# Altium PCB PCB1.PcbDoc (part 2 of 2)
Units mm, origin at the board's own origin, x right, y up, seen from the top; angles counter-clockwise.
Board outline 102 x 100 mm, 4 copper layers (Top Layer, GROUND, POWER, Bottom Layer), stack 1.369 mm thick; 127 components, 87 nets, 437 pads, 103 vias.
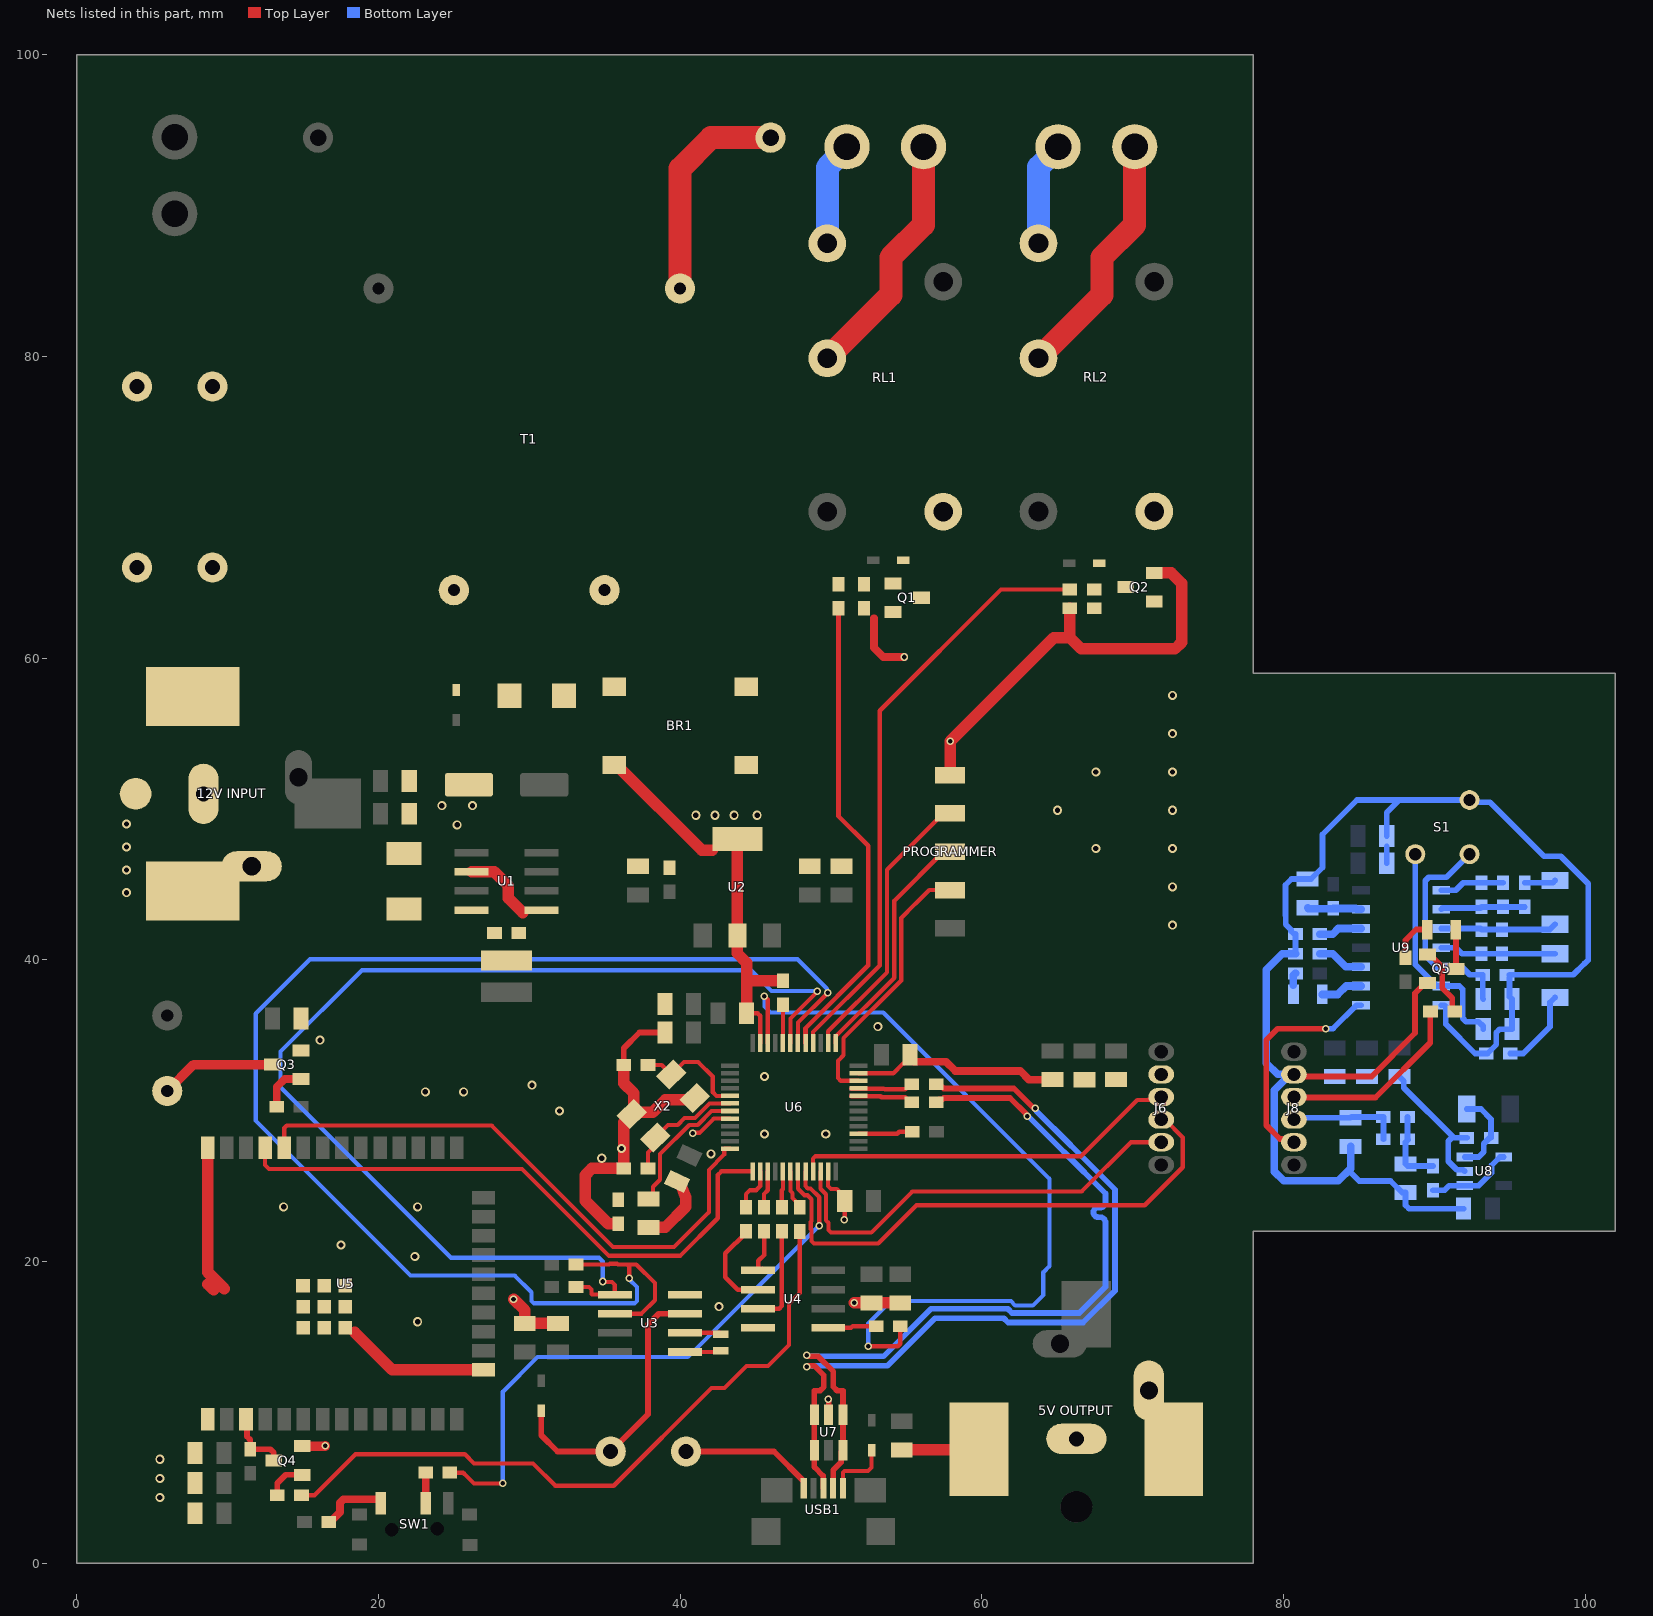
[diagram p4: the nets of this part, all layers, seen from the top]

## Via types
v1: diameter 0.6, hole 0.35, Top Layer to Bottom Layer, tented both sides, 72 vias
v2: diameter 0.5, hole 0.3, Top Layer to Bottom Layer, tented both sides, 31 vias

## Nets (pads, with @x,y where several pads share a name; then routed paths per layer and width w, separated by ;. In a path a pad name is that pad's centre, name@x,y a point inside that pad or via, vN(x,y) a via of type N, cw(c..) or ccw(c..) an arc to the next point about the centre after c; other vN are vias at no path point) (continued)
GND: "5V OUTPUT.2" "5V OUTPUT.3" "12V INPUT.2" "12V INPUT.3" "12V INPUT." BR1.4 C1.2 C2.1 C3.1 C4.1 C5.2 C6.2 C7.1 C8.2 C9.2 C10.2 C11.1 C12.1 C13.1 C14.1 C15.1 C16.1 C17.1 C18.2 C19.1 C20.1 C21.1 C22.1 C23.1 C24.1 C25.1 C26.1 C27.1 C28.1 C29.1 C30.1 C31.1 C32.1 D1.2 J6.2 PROGRAMMER.5 Q1.2 Q2.2 Q3.2 Q4.2 R4.1 R5.1 R20.1 R21.1 U1.1 U1.6 U2.2 U3.4 U4.4 U5.1 U5.15 U5.38 U5.39 U6.8 U6.23 U6.35 U6.47 U7.2 USB1.5 X2.2 X2.4 | length 157.1
  Top Layer w0.279: v2(40.842,28.483) 40.885,28.525 41.292,28.525 42.239,29.472 U6.8@43.316,29.472 ; C27.1@44.409,36.449 45.152,36.449 45.316,36.285 U6.47@45.316,34.472 ; U6.23@49.816,25.972 49.816,24.991 50.01,24.797 50.393,24.797 50.557,24.633 50.557,24.363 C30.1@50.917,24.003 50.917,22.779 v2(50.886,22.748) ; U6.35@51.816,32.472 54.138,32.472 54.787,33.121 54.895,33.121 C28.1@55.255,33.481
  Top Layer w0.381: C24.1@36.271,33.022 36.271,34.138 37.313,35.179 C32.1@38.991,35.179 ; C18.2@40.4,7.4 46.225,7.4 48.2,5.425 USB1.5@48.2,4.95 ; U7.2@49.85,9.843 v2@49.85,10.904
  Top Layer w0.508: 52.857,62.636 52.857,60.681 53.467,60.071 v2(54.864,60.071) ; C28.1@55.255,33.706 55.255,33.481 55.501,33.235 57.631,33.235 58.237,32.629 62.553,32.629 63.131,32.05 C12.1@64.7,32.05
  Top Layer w0.635: Q4.2@14.945,7.75 16.462,7.75 v2(16.485,7.772)
  Top Layer w0.762: 8.68,18.498 9.068,18.11 ; U5.38@8.68,27.525 8.68,19.285 9.779,18.186 ; 18.44,15.291 20.926,12.805 U5.15@26.97,12.805 ; U1.6@26.173,45.835 27.679,45.835 28.622,44.892 28.622,44.073 29.566,43.129 ; v2(28.956,17.501) 28.975,17.501 29.7,16.776 C20.1@29.7,15.895 C19.1@31.9,15.895 ; BR1.4@35.635,52.899 35.81,52.899 41.44,47.269 42.139,47.269 ; R20.1@35.9,22.5 35.234,22.5 33.706,24.028 33.706,25.716 34.152,26.162 C25.1@36.271,26.162 36.271,29.242 X2.4@36.801,29.772 X2.4@36.925,29.896 ; C24.1@36.271,33.022 36.271,31.814 36.925,31.16 X2.4@36.925,29.896 ; C26.1@37.897,22.25 39.003,22.25 40.383,23.63 40.383,24.183 40.011,25.206 C29.1@39.807,25.301 ; X2.2@40.973,30.833 40.85,30.709 39.003,30.709 38.19,29.896 X2.4@36.925,29.896 ; U2.2@43.8,48 U2.2@43.8,41.6 43.8,40.419 44.409,39.81 44.409,38.583 ; C27.1@44.409,36.449 44.409,38.583 ; R21.1@46.816,38.608 44.435,38.608 44.409,38.583 ; v2(51.539,17.247) 51.543,17.25 C16.1@52.7,17.25 C17.1@54.6,17.25 ; C11.1@54.7,7.505 59.792,7.505 59.826,7.539 ; PROGRAMMER.5@57.9,52.24 57.9,54.471 v2(57.912,54.483) 64.78,61.351 65.847,61.351 ; R5.1@65.847,63.3 65.847,61.351 ; Q2.2@71.44,65.65 72.551,65.65 73.254,64.948 73.254,61.051 72.807,60.604 66.594,60.604 65.847,61.351
  other v1: 5.512,4.343 5.512,5.613 5.512,6.883 22.606,16.002 42.573,17.003 22.415,20.333 17.526,21.082 13.716,23.622 22.606,23.622 34.806,26.84 42.054,27.136 36.119,27.485 45.593,28.448 49.657,28.448 32.004,29.972 23.114,31.242 25.654,31.242 30.188,31.683 45.593,32.258 16.129,34.671 53.111,35.56 72.644,42.291 3.302,44.45 72.644,44.831 3.302,45.949 67.564,47.371 72.644,47.371 3.302,47.473 25.222,48.946 3.302,48.997 41.046,49.581 42.316,49.581 43.586,49.581 45.11,49.581 65.024,49.911 72.644,49.911 24.206,50.216 26.238,50.216 67.564,52.451 72.644,52.451 72.644,54.991 72.644,57.531
  other v2: 49.835,10.859
GND_S: C33.1 C34.1 C35.1 C36.1 C37.1 C38.1 C39.1 C40.1 C44.1 C46.1 C47.1 J8.2 Q5.2 R26.1 R33.1 R34.1 R35.1 R36.1 S1.3 U8.2 U9.7 | length 114.7
  Top Layer w0.381: J8.2@80.7,32.4 80.842,32.258 85.852,32.258 88.731,35.137 88.731,37.781 89.4,38.45 Q5.2@89.555,38.45
  Bottom Layer w0.381: R34.1@80.8,40.4 R33.1@80.8,41.7 80.711,41.7 80.508,41.903 80.508,41.992 80.158,42.342 80.158,42.905 80.137,42.926 80.137,44.958 80.529,45.35 C44.1@81.6,45.35 81.825,45.35 82.594,46.119 82.594,48.304 84.882,50.592 87.676,50.592 ; C34.1@84.455,27.625 84.455,25.908 85.025,25.338 87.106,25.338 87.875,24.569 C35.1@88.1,24.569 88.1,23.723 88.323,23.5 C33.1@91.95,23.5 ; C37.1@86.85,46.4 C36.1@86.85,47.506 ; C36.1@86.85,48.2 86.85,49.766 87.676,50.592 ; C38.1@87.7,32.25 87.984,31.966 87.984,31.51 91.3,28.194 ; U9.7@90.46,36.99 90.66,36.99 90.76,36.891 90.76,35.732 92.71,33.782 93.523,33.782 94.118,34.377 94.118,35.177 94.341,35.4 C46.1@95.15,35.4 C47.1@95.15,37.4 94.996,37.554 R36.1@94.996,38.826 ; U8.2@92.015,25.974 91.906,26.084 91.485,26.084 90.932,26.636 90.932,27.971 91.155,28.194 91.3,28.194 ; R26.1@92.164,28.194 91.3,28.194 ; R36.1@94.996,39 99.218,39 99.969,39.751 99.98,39.751 100.203,39.974 100.203,45.043 98.383,46.863 97.282,46.863 93.702,50.443 92.488,50.443 S1.3@92.339,50.592 87.676,50.592
  Bottom Layer w0.508: J8.2@80.7,32.4 J8.2@80.45,32.4 ; R34.1@80.8,40.4 79.936,40.4 78.867,39.331 78.867,33.147 79.614,32.4 J8.2@80.45,32.4 ; C34.1@84.455,27.625 84.455,26.162 83.636,25.343 80.012,25.343 79.393,25.962 79.393,31.343 J8.2@80.45,32.4
LED_DRIVER: J6.3 U6.21 | length 25.6
  Top Layer w0.279: U6.21@48.816,25.972 48.816,26.811 48.98,26.975 66.573,26.975 70.307,30.709 71.026,30.709 71.041,30.724 71.724,30.724 J6.3@71.9,30.9
LED_S: J8.3 R27.1 | length 12.6
  Top Layer w0.381: J8.3@80.7,30.9 80.739,30.861 86.106,30.861 89.738,34.493 R27.1@89.738,36.576
LIGHT1_GND: LIGHT1.2 RL1.3 | length 6.9
  Bottom Layer w1.524: RL1.3@49.76,87.49 49.76,92.54 51.06,93.84 LIGHT1.2@51.06,93.9
LIGHT1_VCC: LIGHT1.1 RL1.2 | length 16.7
  Top Layer w1.524: RL1.2@49.76,79.87 53.975,84.085 53.975,86.563 56.14,88.728 LIGHT1.1@56.14,93.9
LIGHT2_GND: J3.2 RL2.3 | length 6.9
  Bottom Layer w1.524: RL2.3@63.76,87.5 63.76,92.55 65.06,93.85 J3.2@65.06,93.91
LIGHT2_VCC: J3.1 RL2.2 | length 16.7
  Top Layer w1.524: RL2.2@63.76,79.87 67.975,84.085 67.975,86.563 70.14,88.728 J3.1@70.14,93.9
MCU_N: R17.1 U6.32 | length 4.2
  Top Layer w0.3: U6.32@51.359,30.95 53.294,30.95 53.345,30.898 54.935,30.898 55.283,30.55 R17.1@55.372,30.55
MCU_P: R18.1 U6.33 | length 4.2
  Top Layer w0.3: U6.33@51.359,31.453 53.502,31.453 53.554,31.402 54.935,31.402 55.283,31.75 R18.1@55.372,31.75
NetBR1_1: BR1.1 T1.7
NetBR1_2: BR1.2 T1.9
NetBR1_3: BR1.3 F1.1
NetBZ1_2: BZ1.2 Q3.3 | length 7.7
  Top Layer w0.635: BZ1.2@6,31.3 7.745,33.045 Q3.3@12.979,33.045
NetC4_2: C4.2 D1.1 L1.1 U1.8
NetC5_1: C5.1 C6.1 D8.2 F1.2
NetC18_1: C18.1 D5.1 U3.3 | length 18.9
  Top Layer w0.381: D5.1@30.8,10.105 30.8,8.473 31.873,7.4 C18.1@35.4,7.4 37.871,9.871 37.871,15.824 38.582,16.535 U3.3@40.325,16.535
NetC24_2: C24.2 U6.5 X2.3 | length 7.6
  Top Layer w0.279: C24.2@37.871,33.022 38.784,33.022 X2.3@39.418,32.388 40.253,33.223 41.199,33.223 42.164,32.258 42.164,31.222 42.414,30.972 U6.5@43.316,30.972
NetC25_2: C25.2 U6.6 X2.1 | length 8.1
  Top Layer w0.279: C25.2@37.871,26.162 37.871,27.217 38.357,27.703 X2.1@38.357,28.216 39.192,29.051 39.846,29.051 40.302,29.507 40.981,29.507 41.946,30.472 U6.6@43.316,30.472
NetC35_2: C35.2 R24.1 R25.1 R37.2 | length 5
  Bottom Layer w0.381: R24.1@88.227,28.1 R25.1@88.227,29.581 ; R24.1@88.265,28.062 88.1,27.897 C35.2@88.1,26.469 88.242,26.327 R37.2@89.916,26.327
NetC41_1: C41.1 R28.1 R29.2 U9.2 | length 5.6
  Bottom Layer w0.381: U9.2@90.46,43.34 90.545,43.425 93.058,43.425 C41.1@93.133,43.5 R29.2@96,43.5
NetC41_2: C41.2 R28.2 U9.1 | length 4.3
  Bottom Layer w0.381: U9.1@90.46,44.61 91.431,44.61 91.921,45.1 C41.2@93.133,45.1 R28.2@94.564,45.1
NetC42_1: C42.1 C43.2 R32.1 U9.3 | length 7.7
  Bottom Layer w0.381: U9.3@90.465,42.065 93.058,42.065 C43.2@93.128,41.995 ; C43.2@93.133,42 97.65,42 C42.1@98,42.35
NetC42_2: C42.2 R29.1 | length 2.1
  Bottom Layer w0.381: R29.1@96,45.1 97.85,45.1 C42.2@98,45.25
NetC43_1: C43.1 C45.2 R32.2 U9.4 | length 7.7
  Bottom Layer w0.381: U9.4@90.46,40.8 91.431,40.8 91.831,40.4 C43.1@93.133,40.4 R32.2@94.5,40.4 96.719,40.4 C45.2@98,40.4
NetC44_2: C44.2 R30.1 U9.13 | length 3.6
  Bottom Layer w0.508: C44.2@81.613,43.437 81.663,43.387 R30.1@83.287,43.387 ; R30.1@83.3,43.4 84.78,43.4 84.84,43.34 U9.13@85.14,43.34
NetC45_1: C45.1 R35.2 | length 5.5
  Bottom Layer w0.381: R35.2@95.034,33.782 95.898,33.782 97.675,35.559 97.675,37.175 C45.1@98,37.5
NetC46_2: C46.2 S1.1 U9.6 | length 14.8
  Bottom Layer w0.381: S1.1@88.747,47 88.747,39.673 90.16,38.26 U9.6@90.46,38.26 91.664,38.26 91.888,38.037 91.888,36.119 92.111,35.895 92.94,35.895 93.25,35.586 C46.2@93.25,35.4
NetC47_2: C47.2 R36.2 S1.2 U9.5 | length 14.6
  Bottom Layer w0.381: S1.2@92.339,47 90.805,45.466 89.631,45.466 89.408,45.243 89.408,40.282 90.16,39.53 U9.5@90.46,39.53 91.828,39.53 92.358,39 R36.2@93.222,39 93.222,37.428 C47.2@93.25,37.4
NetD2_2: D2.2 Q1.3 RL1.4
NetD3_2: D3.2 Q2.3 RL2.4
NetD4_2: D4.2 USB1.1 | length 4.2
  Top Layer w0.254: USB1.1@50.8,4.95 50.8,6.006 50.89,6.096 52.451,6.096 52.7,6.345 D4.2@52.7,7.485
NetD6_1: D6.1 Q5.3 | length 2.6
  Top Layer w0.381: Q5.3@91.445,39.4 D6.1@91.445,41.985
NetD6_2: D6.2 R23.1 | length 2.9
  Top Layer w0.381: R23.1@88.087,40.145 88.087,41.288 88.799,42 D6.2@89.53,42
NetD7_1: D7.1 U9.9 | length 2.8
  Bottom Layer w0.508: D7.1@82.57,37.7 83.609,37.7 84.169,38.26 U9.9@85.14,38.26
NetD7_2: D7.2 R31.1 | length 0.9
  Bottom Layer w0.508: D7.2@80.645,38.316 80.645,38.96 80.785,39.1 R31.1@80.8,39.1
NetJ6_5: J6.5 U6.22 | length 28.7
  Top Layer w0.279: U6.22@49.316,25.972 49.316,24.816 49.682,24.45 49.682,22.723 49.849,22.557 49.849,22.086 50.015,21.92 52.68,21.92 55.397,24.638 66.624,24.638 69.886,27.9 J6.5@71.9,27.9
NetJ8_5: J8.5 U9.8 | length 15.2
  Top Layer w0.381: J8.5@80.7,27.9 80.123,27.9 79.903,28.12 79.775,28.12 78.867,29.028 78.867,34.671 79.629,35.433 v2(82.804,35.433)
  Bottom Layer w0.381: v2(82.804,35.433) 83.283,35.433 84.84,36.99 U9.8@85.14,36.99
NetQ1_1: Q1.1 R2.2 R4.2
NetQ2_1: Q2.1 R3.2 R5.2
NetQ3_1: Q3.1 R7.2 | length 3.1
  Top Layer w0.508: R7.2@13.269,30.251 13.269,31.582 13.782,32.095 Q3.1@14.869,32.095
NetQ4_1: Q4.1 R16.2 | length 2.7
  Top Layer w0.381: R16.2@13.3,4.5 13.3,5.299 13.851,5.85 Q4.1@14.945,5.85
NetQ5_1: Q5.1 R27.2 | length 4.6
  Top Layer w0.381: Q5.1@89.555,40.35 89.765,40.14 89.92,40.14 90.522,39.538 90.522,38.129 91.186,37.465 91.186,36.741 R27.2@91.351,36.576
NetR1_2: R1.2 T1.1 | length 14.8
  Top Layer w1.524: T1.1@40,84.5 40,92.451 42.049,94.5 R1.2@46,94.5
NetR2_1: R2.1 U6.41 | length 31.4
  Top Layer w0.279: 52.476,39.624 52.476,47.549
  Top Layer w0.305: U6.41@48.316,34.472 48.316,35.464 52.476,39.624 ; R2.1@50.5,63.3 50.5,49.525 52.476,47.549
NetR3_1: R3.1 U6.40 | length 39.8
  Top Layer w0.279: U6.40@48.816,34.472 48.816,35.202 53.238,39.624 53.238,56.504 61.285,64.551 R3.1@65.847,64.551
NetR6_2: R6.2 SW1.1 | length 4.6
  Top Layer w0.508: R6.2@16.7,2.718 16.789,2.718 17.453,3.381 17.453,4.01 17.684,4.242 19.984,4.242 20.143,4.082 SW1.1@20.143,3.97
NetR8_2: R8.2 U4.5 | length 3.2
  Top Layer w0.305: U4.5@49.825,15.595 51.331,15.595 51.436,15.7 R8.2@53,15.7
NetR9_2: R9.2 SW1.2 | length 2
  Top Layer w0.508: SW1.2@23.143,3.97 R9.2@23.143,5.994
NetR10_2: R10.2 U6.14 | length 3
  Top Layer w0.279: R10.2@44.374,23.597 44.374,24.46 44.639,24.726 45.051,24.726 45.316,24.991 U6.14@45.316,25.972
NetR11_2: R11.2 U6.15 | length 2.5
  Top Layer w0.279: R11.2@45.568,23.606 45.568,24.469 45.816,24.718 U6.15@45.816,25.972
NetR12_2: R12.2 U6.17 | length 2.4
  Top Layer w0.279: R12.2@46.746,23.597 46.746,24.717 46.816,24.787 U6.17@46.816,25.972
NetR19_2: R19.2 U6.18 | length 2.7
  Top Layer w0.279: U6.18@47.316,25.972 47.316,24.667 47.457,24.526 47.457,24.196 47.981,23.673 R19.2@47.981,23.584
NetR21_2: R21.2 U6.44 | length 2.5
  Top Layer w0.279: U6.44@46.816,34.472 46.816,36.144 R21.2@46.816,37.008
NetR22_2: R22.2 U6.27 | length 3.6
  Top Layer w0.305: U6.27@51.816,28.472 54.408,28.472 54.536,28.6 R22.2@55.4,28.6
NetR26_2: R26.2 TR1.1 U8.3 | length 5.6
  Bottom Layer w0.381: U8.3@92.015,26.924 92.946,26.924 93.277,27.255 93.277,27.795 R26.2@93.675,28.194 ; TR1.1@92.149,30.099 93.091,30.099 93.764,29.426 R26.2@93.764,28.194
NetR33_2: R33.2 U9.12 | length 2.9
  Bottom Layer w0.508: R33.2@82.4,41.7 83.264,41.7 83.634,42.07 U9.12@85.14,42.07
NetR34_2: R34.2 U9.10 | length 3.1
  Bottom Layer w0.508: R34.2@82.4,40.4 83.264,40.4 84.134,39.53 U9.10@85.14,39.53
NetR37_1: R37.1 U8.1 U8.4 | length 5.9
  Bottom Layer w0.381: R37.1@89.916,24.727 90.691,24.727 90.988,25.024 U8.1@92.015,25.024 92.946,25.024 93.796,25.874 93.796,26.355 94.365,26.924 U8.4@94.615,26.924
NetU3_1: U3.1 X1.2 | length 2.5
  Top Layer w0.279: U3.1@40.41,14.08 U3.1@40.325,13.995 42.612,13.995 X1.2@42.697,14.08
NetU3_2: U3.2 X1.1 | length 2.4
  Top Layer w0.279: U3.2@40.325,15.265 42.613,15.265 X1.1@42.697,15.18
NRST: C26.2 R20.2 U6.7 | length 9.1
  Top Layer w0.279: C26.2@37.897,24.15 C26.2@38.207,24.461 ; C26.2@38.211,24.461 38.211,24.952 38.672,25.413 38.672,27.114 40.607,29.05 41.171,29.05 42.092,29.972 U6.7@43.316,29.972
RTC_SCL: R15.1 U3.6 U6.42 | length 95
  Top Layer w0.279: R15.1@33.1,19.8 35.304,19.8 35.35,19.846 35.821,19.846 35.867,19.8 36.481,19.8 ; U3.6@35.675,16.535 37.439,16.535 38.329,17.424 38.329,18.567 37.096,19.8 36.481,19.8 ; v2(36.627,18.872) 36.627,19.655 36.481,19.8 ; U6.42@47.816,34.472 47.816,35.837 49.786,37.807 v2(49.789,37.807)
  Bottom Layer w0.279: v2(36.627,18.872) 36.627,18.813 37.135,18.305 37.135,17.385 36.971,17.221 30.313,17.221 30.15,17.385 30.15,17.958 29.032,19.075 22.123,19.075 11.862,29.337 11.862,36.424 15.469,40.03 47.793,40.03 49.746,38.077 49.746,37.849 v2(49.789,37.807)
RTC_SDA: R14.1 U3.5 U6.43 | length 76.9
  Top Layer w0.279: R14.1@33.1,18.3 33.964,18.3 34.127,18.136 34.127,17.847 34.169,17.805 U3.5@35.675,17.805 35.675,18.436 35.484,18.627 34.916,18.627 v2(34.874,18.669) ; U6.43@47.316,34.472 47.316,36.101 49.098,37.883 v2(49.098,37.922)
  Bottom Layer w0.279: v2(34.874,18.669) 34.874,19.99 34.62,20.244 24.816,20.244 13.513,31.547 13.513,33.909 18.907,39.303 44.685,39.303 46.066,37.922 v2(49.098,37.922)
SENSOR_ONOFF: R9.1 U6.20 | length 39.5
  Top Layer w0.279: R9.1@24.743,5.994 25.607,5.994 25.683,5.918 25.705,5.918 26.34,5.283 v2(28.245,5.283) ; U6.20@48.316,25.972 48.316,24.991 48.464,24.843 48.643,24.843 49.225,24.26 v2(49.225,22.377)
  Bottom Layer w0.279: v2(28.245,5.283) 28.245,11.354 30.556,13.665 40.513,13.665 v2(49.225,22.377)
SWCLK: PROGRAMMER.3 U6.37 | length 16.1
  Top Layer w0.279: U6.37@50.316,34.472 50.316,34.922 54.204,38.81 54.204,43.914 57.45,47.16 PROGRAMMER.3@57.9,47.16
SWDIO: PROGRAMMER.2 U6.34 | length 17.8
  Top Layer w0.279: U6.34@51.816,31.972 50.654,31.972 50.47,32.156 50.47,33.299 50.841,33.671 50.841,34.801 54.661,38.62 54.661,42.774 55.575,43.688 55.587,43.688 56.519,44.62 PROGRAMMER.2@57.9,44.62
TDI: PROGRAMMER.4 U6.38 | length 18.8
  Top Layer w0.279: U6.38@49.816,34.472 49.816,35.262 53.721,39.167 53.721,45.971 57.45,49.7 PROGRAMMER.4@57.9,49.7
TEMP_ADC: C34.2 J8.4 R24.2 R25.2 | length 7.5
  Bottom Layer w0.381: J8.4@80.7,29.4 80.825,29.525 C34.2@84.455,29.525 84.511,29.581 R25.2@86.627,29.581 R24.2@86.627,28.1
TEMP_IN_CS: R10.1 U4.2 | length 6.1
  Top Layer w0.305: R10.1@44.374,21.996 44.374,21.907 43.002,20.536 43.002,18.948 43.816,18.135 U4.2@45.175,18.135
TEMP_IN_OT: R8.1 U6.46 | length 52.9
  Top Layer w0.279: v2(45.593,37.592) 45.816,37.369 U6.46@45.816,34.472 ; v2(52.476,14.376) 54.436,14.376 54.6,14.54 R8.1@54.6,15.7
  Bottom Layer w0.279: v2(45.593,37.592) 45.593,36.906 45.999,36.5 53.467,36.5 64.491,25.476 64.491,19.685 64.084,19.279 64.084,17.779 63.387,17.081 62.217,17.081 61.931,17.367 53.969,17.367 52.476,15.875 v2(52.476,14.376)
TEMP_IN_SCLK: R11.1 U4.1 | length 3.1
  Top Layer w0.305: U4.1@45.461,19.503 45.363,19.405 U4.1@45.175,19.405 45.175,20.036 45.568,20.429 R11.1@45.568,22.006
TEMP_IN_SIO: R12.1 U4.3 | length 6.6
  Top Layer w0.305: U4.3@45.175,16.865 46.567,16.865 46.746,17.044 R12.1@46.746,21.996
TEMPERATURE_ADC: J6.4 U6.19 | length 35.8
  Top Layer w0.279: U6.19@47.816,25.972 47.816,24.814 48.244,24.386 48.453,24.386 48.717,24.122 48.717,22.672 48.657,22.613 48.657,22.142 48.717,22.083 48.717,21.347 48.881,21.184 53.137,21.184 55.677,23.724 70.807,23.724 73.33,26.246 73.33,28.22 72.15,29.4 J6.4@71.9,29.4
USB_N: R17.2 U7.1 U7.6 USB1.2 | length 54
  Top Layer w0.373: v2(48.387,13.772) 48.45,13.708 49.161,13.708 50.164,12.706 50.164,11.684 50.418,11.43 50.8,11.43 U7.1@50.8,9.843 U7.6@50.8,7.493 50.687,7.38 50.687,6.695 50.15,6.159 USB1.2@50.15,4.95 ; R17.2@56.972,30.55 57.179,30.757 57.408,30.757 57.487,30.836 61.874,30.836 62.947,29.763 62.947,29.707 63.011,29.644 v2(63.011,29.61)
  Bottom Layer w0.373: v2(48.387,13.772) 48.421,13.772 48.485,13.708 53.483,13.708 56.638,16.863 61.722,16.863 62.008,16.577 66.465,16.577 68.207,18.319 68.207,22.377 68.207,22.564 ccw(c67.833,22.564) 67.833,22.937 67.716,22.937 cw(c67.716,23.251) 67.716,23.565 67.833,23.565 ccw(c67.833,23.938) 68.207,23.938 68.207,24.503 65.469,27.241 65.456,27.254 63.1,29.61 v2(63.011,29.61)
USB_P: R18.2 U7.3 U7.4 USB1.3 | length 54
  Top Layer w0.373: v2(48.387,13.018) 48.45,13.081 48.901,13.081 49.536,12.446 49.536,11.684 49.282,11.43 48.9,11.43 U7.3@48.9,9.843 U7.4@48.9,7.493 48.9,6.366 49.487,5.78 49.487,4.963 USB1.3@49.5,4.95 ; R18.2@56.972,31.75 57.179,31.543 57.408,31.543 57.487,31.464 62.134,31.464 63.454,30.143 v2(63.544,30.143)
  Bottom Layer w0.373: v2(48.387,13.018) 48.421,13.018 48.485,13.081 53.743,13.081 56.898,16.236 61.462,16.236 61.748,15.95 66.725,15.95 68.834,18.059 68.834,22.377 68.834,24.763 65.912,27.685 65.899,27.698 63.607,29.99 63.607,30.045 63.544,30.109 v2(63.544,30.143)
WIFI_EN: R16.1 R19.1 | length 46
  Top Layer w0.279: R16.1@14.9,4.5 15.764,4.5 18.477,7.214 25.73,7.214 26.34,6.604 30.251,6.604 31.729,5.126 35.603,5.126 42.08,11.603 42.951,11.603 44.412,13.063 45.822,13.063 47.216,14.458 47.216,17.196 47.93,17.91 R19.1@47.93,21.984
WIFI_OUT: Q4.3 R13.2 U5.3 | length 4.3
  Top Layer w0.381: U5.3@11.22,9.525 11.283,9.462 11.283,8.394 11.506,8.171 R13.2@11.506,7.553 12.832,7.553 13.055,7.33 Q4.3@13.055,6.8
WIFI_RXD: U5.34 U6.12 | length 38.8
  Top Layer w0.279: U5.34@13.76,27.525 13.76,28.843 13.924,29.007 27.508,29.007 35.56,20.955 39.599,20.955 41.91,23.266 41.91,26.066 42.924,27.08 42.924,27.462 42.934,27.472 U6.12@43.316,27.472
WIFI_TXD: U5.35 U6.13 | length 40
  Top Layer w0.279: U5.35@12.49,27.525 12.49,26.394 12.747,26.137 29.515,26.137 35.281,20.371 40.005,20.371 42.494,22.86 42.494,25.73 42.736,25.972 U6.13@44.816,25.972
pads on no net: "5V OUTPUT." J6.6 J8.6 RL1.1 RL2.1 SW1. SW1.0 SW1.3 U1.2 U1.3 U1.5 U3.7 U4.6 U4.7 U5.4 U5.5 U5.6 U5.7 U5.8 U5.9 U5.10 U5.11 U5.12 U5.13 U5.14 U5.16 U5.17 U5.18 U5.19 U5.20 U5.21 U5.22 U5.23 U5.24 U5.25 U5.26 U5.27 U5.28 U5.29 U5.30 U5.31 U5.32 U5.33 U5.36 U5.37 U6.1 U6.2 U6.3 U6.4 U6.10 U6.11 U6.16 U6.25 U6.26 U6.28 U6.29 U6.30 U6.31 U6.39 U6.45 U9.11 USB1. USB1.4

## Polygon pours and split planes (outlines as drawn)
GND on Top Layer "Top Layer-GND" (solid, remove dead copper, pour order 32): 1.905,6.604 4.611,3.898 41.769,3.898 75.692,3.898 75.692,68.109 64.502,68.109 53.326,65.67 53.326,52.97 32.422,52.97 28.091,57.301 18.312,57.301 13.981,61.632 8.19,67.423 8.19,82.739 7.911,83.019 5.041,83.019 1.905,79.883
5VDC on Top Layer "Top Layer-5VDC" (solid, pour order 26): 48.387,18.567 51.181,18.567 51.74,18.009 55.778,18.009 55.778,14.63 51.816,10.668 51.816,8.763 52.197,8.382 55.753,8.382 56.515,9.144 56.515,11.43 57.912,12.827 68.453,12.827 69.85,14.224 69.85,19.685 67.021,22.514 55.772,22.514 53.885,20.808 48.387,20.808
GND_S on Top Layer "GND_S_L01_P043" (solid, remove dead copper, pour order 43): 78.232,57.277 79.121,58.166 100.838,58.166 101.219,57.785 101.219,23.114 100.965,22.86 78.867,22.86 78.232,23.495
5VDC on Top Layer "5VDC_L01_P024" (solid, pour order 24): 55.778,20.848 55.778,20.574 56.134,20.574 56.134,20.803 56.185,20.853
NetBR1_2 on Top Layer "NETBR1_2_L01_P000" (solid, pour order 0): 23.5,66 22.5,65 22.5,63 23,62.5 28.5,62.5 31.5,59.5 37.5,59.5 40.5,56.5 45.5,56.5 46,57 46,59 45.5,59.5 41.5,59.5 39,62 33.5,62 30.5,65 29.5,66
NetBR1_1 on Top Layer "NETBR1_1_L01_P002" (solid, pour order 2): 33.5,66 33,65.5 33,63.5 33.5,63 44.5,63 47,60.5 47,56 45.5,54.5 43,54.5 42.5,54 42.5,52 43,51.5 47.5,51.5 49.5,53.5 49.5,62 45.5,66
NetC5_1 on Top Layer "NETC5_1_L01_P003" (solid, pour order 3): 29.972,56.896 29.972,57.912 28.448,59.436 19.304,59.436 11.43,67.31 11.43,78.994 10.668,79.756 7.62,79.756 7.366,79.756 7.112,79.502 7.112,65.532 15.494,57.15 26.67,57.15 27.432,56.388 29.464,56.388 27.432,56.388 29.464,56.388
5VDC on Top Layer "5VDC_L01_P021" (solid, pour order 21): 67.021,22.514 67.321,22.214 67.321,21.931 67.285,21.895 67.021,21.895
GND_S on Bottom Layer "GND_S_L04_P044" (solid, remove dead copper, pour order 44): 78.232,57.243 79.14,58.15 100.857,58.15 101.238,57.769 101.238,23.098 100.984,22.844 78.886,22.844 78.232,23.498
GND on Bottom Layer "Bottom Layer-GND" (solid, pour order 42): 4.318,3.81 6.35,1.778 16.129,1.778 18.669,4.318 32.004,4.318 32.258,4.064 63.754,4.064 64.135,5.588 65.151,6.604 75.817,6.604 76.073,61.214 76.073,65.659 74.295,67.437 49.784,67.437 47.336,64.989 47.336,56.49 7.518,56.49 6.223,57.785 6.223,79.883 5.588,80.518 2.54,80.518 1.531,79.509 1.905,29.583 27.313,29.583 28.733,28.163 28.733,10.572 26.67,8.509 5.08,8.509 4.318,7.747
3V3DC on POWER (split plane): 60.507,71.065 60.462,71.007 60.454,70.987 60.434,70.939 60.424,70.866 60.424,66.919 59.573,66.068 55.489,66.068 54.892,66.665 54.892,70.104 54.882,70.177 54.862,70.225 54.854,70.245 54.809,70.303 52.523,72.589 52.465,72.634 52.445,72.642 52.397,72.662 52.324,72.672 48.006,72.672 47.933,72.662 47.865,72.634 47.807,72.589 46.918,71.7 46.873,71.642 46.865,71.622 46.845,71.574 46.835,71.501 46.835,59.68 46.702,59.547 46.702,72.771 62.212,72.771
3V3DC on POWER (split plane): 46.609,59.454 46.609,59.501 46.657,59.501
3V3DC_S on POWER (split plane): 101.49,22.51 78.615,22.51 78.615,58.49 101.49,58.49
12VDC on POWER (split plane): 67.282,70.241 67.282,64.125 65.923,62.766 55.118,62.766 55.045,62.756 54.977,62.728 54.919,62.683 44.215,51.979 22.352,51.979 22.279,51.97 22.211,51.941 22.153,51.897 22.108,51.838 22.08,51.77 22.07,51.697 22.07,50.292 22.07,47.879 22.08,47.806 22.1,47.758 22.108,47.738 22.153,47.68 24.82,45.013 24.878,44.968 24.898,44.96 24.946,44.94 25.019,44.93 27.569,44.93 27.912,44.587 27.912,44.313 26.934,43.335 22.596,43.335 19.503,46.427 19.445,46.472 19.425,46.48 19.377,46.5 19.304,46.51 15.484,46.51 13.236,48.758 13.236,53.985 14.087,54.836 42.672,54.836 42.745,54.846 42.793,54.866 42.813,54.874 42.871,54.919 47.316,59.364 47.361,59.422 47.389,59.49 47.399,59.563 47.399,71.384 48.123,72.108 52.207,72.108 54.328,69.987 54.328,66.548 54.338,66.475 54.358,66.427 54.366,66.407 54.411,66.349 55.173,65.587 55.231,65.542 55.251,65.534 55.299,65.514 55.372,65.504 59.69,65.504 59.763,65.514 59.811,65.534 59.831,65.542 59.889,65.587 60.905,66.603 60.931,66.636 60.95,66.661 60.978,66.729 60.988,66.802 60.988,70.749 62.601,72.362 65.161,72.362
3V3DC on POWER (split plane): 76.452,0.635 76.46,0.519 76.461,0.51 0.51,0.51 0.51,8.135 7.927,8.135 7.927,27.82 7.894,27.82 7.894,27.979 0.51,27.979 0.51,72.771 13.716,72.771 13.716,59.436 46.591,59.436 42.555,55.4 13.97,55.4 13.897,55.39 13.829,55.362 13.804,55.343 13.771,55.317 12.755,54.301 12.71,54.243 12.702,54.223 12.682,54.175 12.672,54.102 12.672,48.641 12.682,48.568 12.702,48.52 12.71,48.5 12.755,48.442 15.168,46.029 15.226,45.984 15.294,45.956 15.367,45.946 19.187,45.946 22.28,42.854 22.338,42.809 22.406,42.781 22.479,42.771 27.051,42.771 27.124,42.781 27.172,42.801 27.192,42.809 27.25,42.854 28.393,43.997 28.438,44.055 28.446,44.075 28.466,44.123 28.476,44.196 28.476,44.704 28.466,44.777 28.438,44.845 28.393,44.903 27.885,45.411 27.827,45.456 27.807,45.464 27.759,45.484 27.686,45.494 25.136,45.494 22.634,47.996 22.634,50.292 22.634,51.416 44.331,51.416 44.404,51.425 44.452,51.445 44.472,51.453 44.531,51.498 55.235,62.202 66.04,62.202 66.113,62.212 66.161,62.232 66.181,62.24 66.239,62.285 67.763,63.809 67.808,63.867 67.816,63.887 67.836,63.935 67.846,64.008 67.846,70.358 67.836,70.431 67.816,70.479 67.808,70.499 67.763,70.557 65.55,72.771 76.452,72.771
GND on GROUND (split plane): 77.49,59 77.499,58.9 77.528,58.805 77.576,58.716 77.639,58.639 77.716,58.576 77.805,58.528 77.9,58.499 78,58.49 101.49,58.49 101.49,22.51 78,22.51 77.9,22.501 77.805,22.472 77.716,22.424 77.639,22.361 77.576,22.284 77.528,22.195 77.499,22.1 77.49,22 77.49,0.51 0.51,0.51 0.51,8.255 7.874,8.255 7.874,27.94 0.51,27.94 0.51,72.771 13.716,72.771 13.716,59.436 46.609,59.436 46.609,72.771 77.49,72.771

## Other copper
Top Layer:
  region net GND: 8.14,19.812 8.5,20.172 8.5,20 9,19.5
  region net GND: 3.188,4.229 5.08,2.337 8.382,2.337 8.56,2.515 8.56,8.153 9.144,8.713 9.144,13.487 10.185,14.529 14.328,14.529 18.694,14.529 19.177,15.011 19.177,18.999 18.847,19.329 9.55,19.329 9.068,19.812 8.14,19.812 8.009,8.491 3.849,7.982
  pour cut-out: 7.311,28 8,27.311 8,9.5 7.5,9 1,9 1,28
  region net 5VDC: 39.497,43.053 40.132,42.418 40.132,40.513 40.259,40.386 42.291,40.386 42.418,40.513 42.418,42.799 40.259,44.958 40.005,45.212 36.322,45.212 35.814,45.72 35.814,49.657 33.274,52.197 32.131,53.34 29.21,53.34 28.448,52.578 28.448,47.117 28.956,46.609 31.75,46.609 34.239,44.12 32.868,42.748 32.868,40.818 30.759,38.71 21.692,38.71 21.082,38.1 21.082,34.925 22.606,33.401 31.115,33.401 32.004,34.29 32.004,35.941 36.068,40.005 36.068,43.053
  region net 12VDC: 19.431,48.006 19.177,47.752 18.923,47.752 18.923,48.133
  region net 12VDC: 27.305,45.085 27.559,44.831 27.559,44.069 27.432,43.942 25.019,43.942 24.384,44.577 19.812,44.577 16.383,48.006 16.383,48.895 17.018,49.53 17.145,49.403 19.177,49.403 19.177,46.99 21.082,45.085 24.892,45.085
  region net 12VDC: 21.082,53.086 24.13,53.086 25.908,54.864 25.908,56.134 25.654,56.388 24.384,56.388 24.13,56.134 24.13,55.372 23.622,54.864 16.002,54.864 13.97,54.864 12.954,53.848 12.954,48.768 13.716,48.006 20.32,48.006 21.082,48.768
  region net NetJ8_5: 79.629,28.266 79.883,28.52 81.534,28.52 81.788,28.266 81.788,27.528 81.534,27.274 79.859,27.274 79.629,27.504
  region net LED_S: 79.629,31.266 79.883,31.52 81.534,31.52 81.788,31.266 81.788,30.528 81.534,30.274 79.835,30.274 79.629,30.48
  region net GND_S: 79.629,32.766 79.883,33.02 81.534,33.02 81.788,32.766 81.788,32.028 81.534,31.774 79.859,31.774 79.629,32.004
  region net 3V3DC_S: 79.629,34.544 79.756,34.671 81.661,34.671 81.788,34.544 81.788,33.528 81.534,33.274 79.756,33.274 79.629,33.401
  pour cut-out: 74.022,68.214 73.534,68.214 73.534,67.592
  pour cut-out: 75.184,68.326 75.946,68.326 75.946,67.564
  pour cut-out: 65.11,64.062 65.11,64.262 64.897,64.262
  pour cut-out: 65.11,63.948 65.11,64.175 65.405,64.175 65.405,63.979 65.186,63.979
  pour cut-out: 64.78,61.973 65.11,62.652 65.225,61.973
  pour cut-out: 61.02,64.817 61.642,65.938 62.306,65.81 62.306,65.274
  pour cut-out: 27.508,52.912 28.575,52.912 28.575,52.832
  pour cut-out: 28.28,52.647 27.711,52.527 28.096,52.324 28.321,52.324
  pour cut-out: 67.153,22.631 67.235,23.349 66.052,23.278
  pour cut-out: 41.512,26.918 41.142,26.547 41.142,26.027 40.836,26.333 40.596,26.333 40.386,26.543 39.846,26.715 39.683,26.817 39.734,27.083 39.897,27.525 39.976,27.699 39.731,27.763 38.975,27.086 38.876,26.249 39.172,26.14 39.38,26.126 39.843,25.834 40.513,25.527 41.013,25.571 41.142,26.027
  pour cut-out: 6.944,79.571 6.985,79.612 6.985,83.185 8.255,83.185 8.89,82.55 8.636,82.296 8.636,79.883 7.327,79.883 7.107,79.663 7.107,79.607
  region net 3V3DC: 56.236,37.262 60.249,33.249 72.873,33.249 73.076,33.452 73.076,34.392 71.399,36.068 65.938,36.068 59.131,42.875 56.617,42.875 56.236,42.494
  region net GND: 14.006,36.901 14.234,37.13 15.758,37.13 16.363,36.525 16.363,33.752 15.799,33.188 14.196,33.188 14.006,33.378
  region net GND: 44.788,15.156 46.388,15.156 46.581,15.349 46.581,16.012 46.401,16.192 44.016,16.192 41.961,18.247 38.925,18.247 38.842,18.164 38.842,17.417 38.837,17.412 38.979,17.269 41.626,17.269 43.739,15.156
  region net GND: 63.131,31.9 63.739,31.293 69.774,31.293 70.256,31.775 72.898,31.775 73.127,32.004 73.127,32.817 72.898,33.045 63.932,33.045 63.133,32.247 63.336,32.05 63.131,32.05
  region net GND: 75.745,4.31 75.745,12.192 74,13.937 70.305,13.937 70.142,13.937 66.855,10.65 66.365,10.16 63.668,10.16 63.546,10.16 62.692,11.013 57.45,11.013 56.967,10.531 56.967,4.333 57.455,3.846 63.79,3.846 64.376,4.432 64.376,5.471 64.905,5.999 68.6,5.999 71.079,3.52 71.219,3.52 74.955,3.52
  region net GND: 33.782,26.319 33.782,26.721 36.091,29.03 36.271,28.849 36.271,26.162
  region net 3V3DC: 40.422,33.822 44.935,33.822 44.935,35.102 44.909,35.128 43.871,35.128 43.332,35.128 43.205,35.255 43.205,37.77 42.901,38.075 40.107,38.075 39.98,37.948 39.98,34.265
  region net GND: 51.257,63.729 51.511,63.983 54.559,63.983 54.864,63.678 54.864,62.687 54.458,62.281 51.638,62.281 51.257,62.662
  region net GND: 44.591,45.542 51.511,45.542 51.587,45.618 51.587,46.812 47.93,50.47 38.76,50.47 38.457,50.166 37.77,50.597 37.77,49.479 36.195,47.904 36.195,45.72 36.373,45.542 43.028,45.542 43.439,45.131 44.18,45.131
  region net GND: 28.702,41.427 28.88,41.25 29.947,41.25 31.775,41.25 32.182,41.656 32.182,43.688 32.029,43.84 29.54,43.84 28.702,43.002
  region net GND: 27.432,46.431 27.61,46.431 27.889,46.152 27.635,45.898 27.254,45.898
  region net GND: 20.396,46.279 20.625,46.05 22.254,46.05 22.839,45.466 27.432,45.466 27.661,45.695 27.661,46.203 27.432,46.431 23.851,46.431 23.317,46.965 23.317,47.879 26.365,47.879 27.915,49.428 27.915,52.324 27.508,52.73 21.333,52.73 21.361,49.352 21.361,47.854 20.474,47.83 20.396,47.75
  region net GND: 38.202,37.871 38.329,37.998 39.522,37.998 39.675,37.846 39.675,34.468 39.472,34.265 38.303,34.265 38.202,34.366 38.202,35.408
  region net GND: 38.887,23.165 39.141,22.911 39.141,21.819 38.837,21.514 35.585,21.514 35.255,21.844 35.255,22.987 35.433,23.165
  region net 3V3DC: 13.335,1.981 15.545,1.981 15.773,2.21 15.773,3.073 15.519,3.327 13.691,3.327 13.386,3.632 13.157,3.861 12.395,3.861 12.141,4.115 12.141,6.465 11.926,6.68 10.719,6.68 10.592,6.807 10.592,10.363 10.516,10.439 9.449,10.439 9.347,10.338 9.347,8.509 9.195,8.357 8.89,8.052 8.89,2.438 9.347,1.981
  region net 3V3DC: 30.404,17.678 30.582,17.501 32.182,17.501 32.36,17.678 32.36,20.295 32.106,20.549 30.683,20.549 30.404,20.269 30.404,20.244
  region net 3V3DC: 28.702,14.605 28.829,14.732 37.033,14.732 37.211,14.554 37.211,13.767 34.798,11.354 29.261,11.354 28.702,11.913
  region net NRST: 35.457,24.867 38.659,24.867 38.71,24.867 38.887,24.689 38.887,23.571 38.684,23.368 35.382,23.368 35.255,23.495 35.255,24.764
  region net 3V3DC: 45.06,40.056 45.39,39.726 51.41,39.726 51.791,40.107 51.791,43.663 51.791,44.856 51.537,45.11 47.752,45.11 45.745,45.11 45.06,44.425
  region net NetQ2_1: 66.726,62.84 66.954,62.611 71.933,62.611 72.339,63.017 72.339,64.211 72.187,64.364 70.815,64.364 70.714,64.262 70.714,63.805 70.485,63.576 68.132,63.576 68.132,64.939 67.996,65.075 66.853,65.075 66.726,64.948
  region net NetD3_2: 73.431,70.714 72.796,71.349 69.85,71.349 69.494,70.993 69.494,67.361 69.215,67.081 67.31,67.081 67.081,66.853 67.081,65.964 67.666,65.38 68.631,65.38 68.631,64.135 68.885,63.881 70.206,63.881 70.434,64.11 70.434,66.751 70.764,67.081 73.177,67.081 73.431,67.335 73.431,68.021 73.381,67.97 73.431,68.021
  region net 12VDC: 61.824,70.993 62.636,71.806 66.065,71.806 66.802,71.069 66.802,65.989 66.269,65.456 62.306,65.456 61.824,65.938
  region net NetQ1_1: 49.911,65.405 50.063,65.557 54.686,65.557 54.889,65.354 54.889,64.465 54.635,64.211 50.114,64.211 49.911,64.414
  region net NetD2_2: 55.118,64.516 55.118,63.475 55.372,63.221 56.769,63.221 57.074,63.525 57.074,67.005 57.633,67.564 59.106,67.564 59.639,68.097 59.639,70.688 58.75,71.577 55.321,71.577 54,70.256 54,66.218 54.331,65.888 55.22,65.888 55.423,65.684 55.423,64.795
  region net 12VDC: 48.401,71.628 50.8,71.628 51.714,70.714 51.765,70.663 51.765,67.158 53.365,67.158 53.67,66.853 53.67,66.116 53.365,65.811 49.149,65.811 47.904,67.056 47.904,71.098
  region net NetC4_2: 20.193,43.815 20.701,44.323 22.86,44.323 23.495,43.688 27.559,43.688 28.321,42.926 28.321,42.418 28.321,41.402 28.702,41.021 30.226,41.021 30.48,40.767 30.48,39.04 21.412,39.04 20.193,40.259
  region net 12VDC: 21.082,52.832 21.336,53.086 21.336,53.34 20.828,53.34
  region net NetBR1_3: 37,58.5 36.5,59 31.25,59 31,58.75 31,56.5 31.5,56 36.5,56 37,56.5
Bottom Layer:
  region net 5VDC: 24.13,37.157 23.876,36.903 23.876,34.109 24.076,33.909 28.756,33.909 28.956,34.109 28.956,36.776 28.575,37.157
  region net 3V3DC_S: 79.756,33.528 80.01,33.274 88.519,33.274 88.773,33.528 88.773,34.544 88.519,34.798 87.249,34.798 86.868,35.179 86.36,35.179 85.979,34.798 80.01,34.798 79.756,34.544
  region net 3V3DC_S: 82.931,45.593 82.804,45.466 82.804,44.45 83.058,44.196 85.852,44.196 86.106,44.45 86.106,48.768 85.725,49.149 84.328,49.149 84.074,48.895 84.074,45.974 83.693,45.593
  region net GND_S: 88.429,31.75 88.519,31.84 88.519,32.88 88.379,33.02 80.01,33.02 79.756,32.766 79.756,31.877 79.883,31.75
  pour cut-out: 1.651,30.861 3.302,29.21 2.921,28.829 1.651,28.829
GROUND (plane layer: these items are gaps in the copper):
  rectangle: 0.127,72.771 77.724,99.949
  rectangle: 13.716,59.436 46.609,99.822
  rectangle: 71.12,31.877 72.771,33.147
  rectangle: -0.127,8.255 7.874,27.94
  rectangle: 79.756,31.623 81.534,33.147
POWER (plane layer: these items are gaps in the copper):
  rectangle: 13.809,59.501 46.702,99.887
  rectangle: 0.22,72.836 77.817,100.014
  rectangle: -0.074,8.135 7.927,27.82
  rectangle: 13.716,59.436 46.609,99.822
  rectangle: 70.993,31.75 72.644,33.274
  rectangle: -0.107,8.294 7.894,27.979
  rectangle: 0.127,72.771 77.724,99.949
  lines w0.559: 12.954,48.641 12.954,54.102 13.97,55.118 20.574,55.118 42.672,55.118 47.117,59.563 47.117,71.501 48.006,72.39 52.324,72.39 54.61,70.104 54.61,66.548 55.372,65.786 59.69,65.786 60.706,66.802 60.706,70.866 62.484,72.644 65.278,72.644 67.564,70.358 67.564,64.008 66.04,62.484 55.118,62.484 44.331,51.697 22.352,51.697 22.352,50.292 22.352,47.879 25.019,45.212 27.686,45.212 28.194,44.704 28.194,44.196 27.051,43.053 22.479,43.053 19.304,46.228 15.367,46.228 12.954,48.641
  lines w1.524: 77.597,0.508 77.724,0.381
  lines w1.778: 77.343,0.635 77.343,99.441 ; 77.724,0.381 77.724,99.441

## Silkscreen, mask and mechanical layers (free items; w line width, h text height)
Top Overlay:
  drawing of 3421 lines, arcs and shapes, not listed
  text "LIGHT2" at 74.93,94.615 h1.52 r90
  text "GND" at 54.448,51.839 h0.8
  text "TDI" at 54.715,49.299 h0.8
  text "SWCLK" at 52.849,46.886 h0.8
  text "SWDIO" at 52.982,44.219 h0.8
  text "Wireless_Security_Board_v1" at 75.021,43.203 h0.8 r90
  text "3V3" at 54.448,41.679 h0.8
  text "SENSOR" at 70.05,37.157 h0.8
  text "1" at 73.891,36.218 h0.8 r90
  text "Wireless_Security_Board_v1" at 100.161,24.075 h0.8 r90
Bottom Overlay:
  drawing of 2160 lines, arcs and shapes, not listed
  text "Wireless_Security_Board_v1" at 99.799,56.805 h0.8
  text "GND_TP" at 96.15,52.983 h0.8
  text "1" at 78.636,36.091 h0.8 r270
Bottom Solder:
  region: 97.9,54.2 96.9,53.2 97.9,52.2 98.9,53.2
Route Tool Path:
  lines w0.8: 76.5,23.5 76.5,24 ; 76.5,25 76.5,25.5 ; 76.5,37 76.5,37.5 ; 76.5,38.5 76.5,39 ; 76.5,51.5 76.5,52 ; 76.5,53 76.5,53.5 ; 77.5,23.5 77.5,24 ; 77.5,25 77.5,25.5 ; 77.5,37 77.5,37.5 ; 77.5,38.5 77.5,39 ; 77.5,51.5 77.5,52 ; 77.5,53 77.5,53.5
  lines w1.5: 77,27 77,35.5 ; 77,40.25 77,50
  lines w2: 4,12.5 4,21.5 5,21.5 5,11.5 2.5,11.5 2.5,23.5 6,23.5 6,22.5 2.5,22.5 2.5,24.5 5.5,24.5 5.5,26 2,26 2,11 0.5,11 0.5,27 -1,27 ; 77,-1 1.5,-1 -1,-1 -1,3 -1,101 77,101 77,55 ; 77,-0.763 77,22 ; 77,20.5 103.5,20.5 103.5,21 103.5,60.5 77,60.5 ; -1,27 -1,10 6.5,10 6.5,27 -1,27
Drill Drawing:
  the board outline again, w0.15

## Text inside footprints (layer, text, board x,y; h text height)
BR1: Top Overlay "-" at 36.155,51.549 h0.8 r90; Top Overlay "+" at 36.188,58.949 h0.8 r90; Top Overlay "~" at 45.121,53.799 h0.8 r90; Top Overlay "~" at 45.121,56.724 h0.8 r90
S1: Top Overlay "S" at 90.9,50.928 h0.8; Top Overlay "G" at 92.9,47.928 h0.8; Top Overlay "D" at 87.65,47.678 h0.8
T1: Top Overlay "INPUT" at 42.65,88.85 h0.8; Top Overlay "OUTPUT" at 13.993,59.332 h0.8